# KiCad board coleco_original_main_only.kicad_pcb (continued)
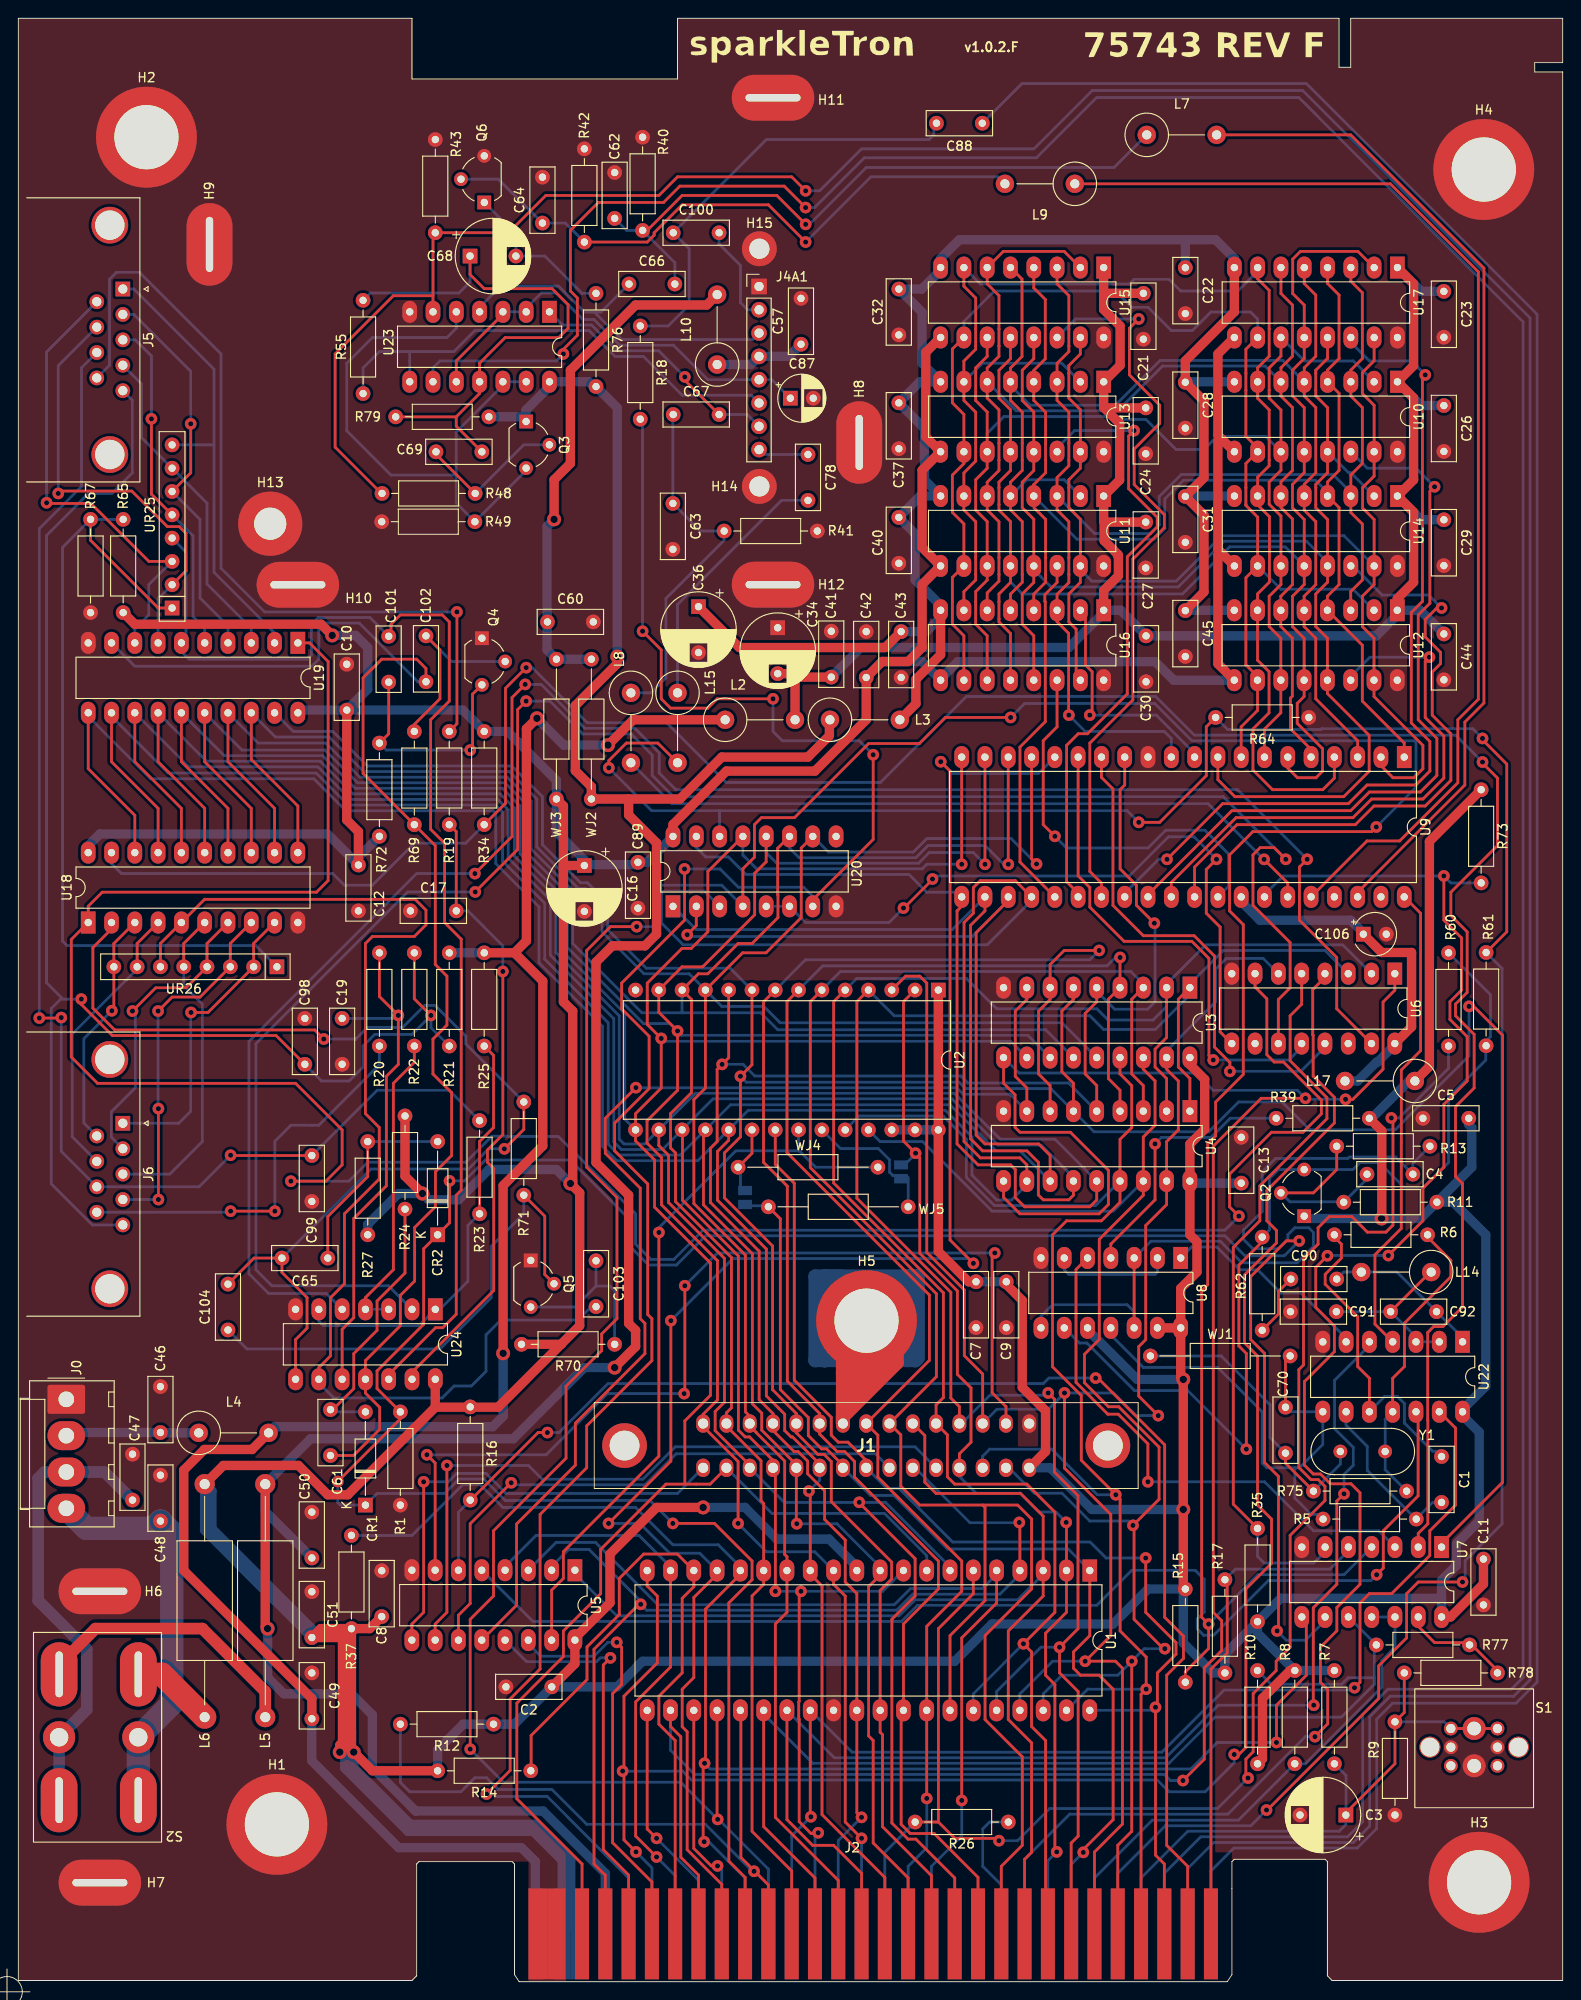
[diagram p0: board, top side]
## Footprints (pads in the part's own frame, mm; a bottom-side part is the same pattern mirrored in y, then rotated)
55308412_coleco
  oval 1.5x2 hole 1.1: 1(0,-4.826) 2(0,0) 3(-2.54,-4.826) 4(-2.54,0) 5(-5.08,-4.826) 6(-5.08,0) 7(-7.62,-4.826) 8(-7.62,0) 9(-10.16,-4.826) 10(-10.16,0) 11(-12.7,-4.826) 12(-12.7,0) 13(-15.24,-4.826) 14(-15.24,0) 15(-17.78,-4.826) 16(-17.78,0) 17(-20.32,-4.826) 18(-20.32,0) 19(-22.86,-4.826) 20(-22.86,0) 21(-25.4,-4.826) 22(-25.4,0) 23(-27.94,-4.826) 24(-27.94,0) 25(-30.48,-4.826) 26(-30.48,0) 27(-33.02,-4.826) 28(-33.02,0) 29(-35.56,-4.826) 30(-35.56,0)
  round 4.875 hole 3.25: MH1(8.57,-2.425) MH2(-44.13,-2.425)
C_Disc_D7.0mm_W2.5mm_P5.00mm
  round 1.6 hole 0.8: 1(0,0) 2(5,0)
Coleco_RST
  round 2.3 hole 2.05 unplated: (-4.826,-6.35) (4.826,-6.35)
  round 1.5 hole 1: 1(-2.54,-4.318) 1(2.54,-4.318) 2(-2.54,-6.35) 2(2.54,-6.35) 3(-2.54,-8.382) 3(2.54,-8.382)
  round 2.5 hole 1.5: 1(0,-4.318) 2(0,-8.382)
Colecovision_Expansion
  rect 2.032x9.906 smd: 1(-34.036,1.905) 2(-32.004,1.905)
  rect 1.524x9.906 smd: 3(-29.21,1.905) 4(-26.67,1.905) 5(-24.13,1.905) 6(-21.59,1.905) 7(-19.05,1.905) 8(-16.51,1.905) 9(-13.97,1.905) 10(-11.43,1.905) 11(-8.89,1.905) 12(-6.35,1.905) 13(-3.81,1.905) 14(-1.27,1.905) 15(1.27,1.905) 16(3.81,1.905) 17(6.35,1.905) 18(8.89,1.905) 19(11.43,1.905) 20(13.97,1.905) 21(16.51,1.905) 22(19.05,1.905) 23(21.59,1.905) 24(24.13,1.905) 25(26.67,1.905) 26(29.21,1.905) 27(31.75,1.905) 28(34.29,1.905) 29(36.83,1.905) 30(39.37,1.905)
  rect 1.524x9.906 smd far side: 31(39.37,1.905) 32(36.83,1.905) 33(34.29,1.905) 34(31.75,1.905) 35(29.21,1.905) 36(26.67,1.905) 37(24.13,1.905) 38(21.59,1.905) 39(19.05,1.905) 40(16.51,1.905) 41(13.97,1.905) 42(11.43,1.905) 43(8.89,1.905) 44(6.35,1.905) 45(3.81,1.905) 46(1.27,1.905) 47(-1.27,1.905) 48(-3.81,1.905) 49(-6.35,1.905) 50(-8.89,1.905) 51(-11.43,1.905) 52(-13.97,1.905) 53(-16.51,1.905) 54(-19.05,1.905) 55(-21.59,1.905) 56(-24.13,1.905) 57(-26.67,1.905) 60(-34.29,1.905)
  rect 2.032x9.906 smd far side: 58(-29.464,1.905)
  rect 1.778x9.906 smd far side: 59(-31.369,1.905)
CP_Radial_D5.0mm_P2.50mm
  rect 1.6x1.6 hole 0.8: 1(0,0)
  round 1.6 hole 0.8: 2(2.5,0)
CP_Radial_D8.0mm_P5.00mm
  rect 1.6x1.6 hole 0.8: 1(0,0)
  round 1.6 hole 0.8: 2(5,0)
CP_Radial_Tantal_D4.5mm_P2.50mm
  rect 1.6x1.6 hole 0.8: 1(0,0)
  round 1.6 hole 0.8: 2(2.5,0)
Crystal_HC49-U_Vertical
  round 1.5 hole 0.8: 1(0,0) 2(4.88,0)
D_DO-35_SOD27_P10.16mm_Horizontal
  rect 1.6x1.6 hole 0.8: 1(0,0)
  oval 1.6x1.6 hole 0.8: 2(10.16,0)
DIP-14_W7.62mm_LongPads
  rect 2.4x1.6 hole 0.8: 1(0,0)
  oval 2.4x1.6 hole 0.8: 2(0,-2.54) 3(0,-5.08) 4(0,-7.62) 5(0,-10.16) 6(0,-12.7) 7(0,-15.24) 8(7.62,-15.24) 9(7.62,-12.7) 10(7.62,-10.16) 11(7.62,-7.62) 12(7.62,-5.08) 13(7.62,-2.54) 14(7.62,0)
DIP-16_W7.62mm_LongPads
  rect 2.4x1.6 hole 0.8: 1(0,0)
  oval 2.4x1.6 hole 0.8: 2(0,-2.54) 3(0,-5.08) 4(0,-7.62) 5(0,-10.16) 6(0,-12.7) 7(0,-15.24) 8(0,-17.78) 9(7.62,-17.78) 10(7.62,-15.24) 11(7.62,-12.7) 12(7.62,-10.16) 13(7.62,-7.62) 14(7.62,-5.08) 15(7.62,-2.54) 16(7.62,0)
DIP-18_W7.62mm_LongPads
  rect 2.4x1.6 hole 0.8: 1(0,0)
  oval 2.4x1.6 hole 0.8: 2(0,-2.54) 3(0,-5.08) 4(0,-7.62) 5(0,-10.16) 6(0,-12.7) 7(0,-15.24) 8(0,-17.78) 9(0,-20.32) 10(7.62,-20.32) 11(7.62,-17.78) 12(7.62,-15.24) 13(7.62,-12.7) 14(7.62,-10.16) 15(7.62,-7.62) 16(7.62,-5.08) 17(7.62,-2.54) 18(7.62,0)
DIP-20_W7.62mm_LongPads
  rect 2.4x1.6 hole 0.8: 1(0,0)
  oval 2.4x1.6 hole 0.8: 2(0,-2.54) 3(0,-5.08) 4(0,-7.62) 5(0,-10.16) 6(0,-12.7) 7(0,-15.24) 8(0,-17.78) 9(0,-20.32) 10(0,-22.86) 11(7.62,-22.86) 12(7.62,-20.32) 13(7.62,-17.78) 14(7.62,-15.24) 15(7.62,-12.7) 16(7.62,-10.16) 17(7.62,-7.62) 18(7.62,-5.08) 19(7.62,-2.54) 20(7.62,0)
DIP-28_W15.24mm
  rect 1.6x1.6 hole 0.8: 1(0,0)
  oval 1.6x1.6 hole 0.8: 2(0,-2.54) 3(0,-5.08) 4(0,-7.62) 5(0,-10.16) 6(0,-12.7) 7(0,-15.24) 8(0,-17.78) 9(0,-20.32) 10(0,-22.86) 11(0,-25.4) 12(0,-27.94) 13(0,-30.48) 14(0,-33.02) 15(15.24,-33.02) 16(15.24,-30.48) 17(15.24,-27.94) 18(15.24,-25.4) 19(15.24,-22.86) 20(15.24,-20.32) 21(15.24,-17.78) 22(15.24,-15.24) 23(15.24,-12.7) 24(15.24,-10.16) 25(15.24,-7.62) 26(15.24,-5.08) 27(15.24,-2.54) 28(15.24,0)
DIP-40_W15.24mm_LongPads
  rect 2.4x1.6 hole 0.8: 1(0,0)
  oval 2.4x1.6 hole 0.8: 2(0,-2.54) 3(0,-5.08) 4(0,-7.62) 5(0,-10.16) 6(0,-12.7) 7(0,-15.24) 8(0,-17.78) 9(0,-20.32) 10(0,-22.86) 11(0,-25.4) 12(0,-27.94) 13(0,-30.48) 14(0,-33.02) 15(0,-35.56) 16(0,-38.1) 17(0,-40.64) 18(0,-43.18) 19(0,-45.72) 20(0,-48.26) 21(15.24,-48.26) 22(15.24,-45.72) 23(15.24,-43.18) 24(15.24,-40.64) 25(15.24,-38.1) 26(15.24,-35.56) 27(15.24,-33.02) 28(15.24,-30.48) 29(15.24,-27.94) 30(15.24,-25.4) 31(15.24,-22.86) 32(15.24,-20.32) 33(15.24,-17.78) 34(15.24,-15.24) 35(15.24,-12.7) 36(15.24,-10.16) 37(15.24,-7.62) 38(15.24,-5.08) 39(15.24,-2.54) 40(15.24,0)
DPDT_GF-626-0061
  oval 4x7 hole 0.8x5: 1(-4.318,-4.572) 3(-4.318,-18.288) 4(4.318,-4.572) 6(4.318,-18.288)
  round 3.5 hole 2: 2(-4.318,-11.43) 5(4.318,-11.43)
DSUB-9_Male_Horizontal_P2.77x2.84mm_EdgePinOffset7.70mm_Housed_MountingHolesOffset9.12mm
  round 4 hole 3.2: 0(-6.96,-1.42) 0(18.04,-1.42)
  rect 1.6x1.6 hole 1: 1(0,0)
  round 1.6 hole 1: 2(2.77,0) 3(5.54,0) 4(8.31,0) 5(11.08,0) 6(1.385,-2.84) 7(4.155,-2.84) 8(6.925,-2.84) 9(9.695,-2.84)
L_Axial_L11.0mm_D4.5mm_P7.62mm_Vertical_Fastron_MECC
  round 2 hole 1: 1(0,0)
  oval 2x2 hole 1: 2(7.62,0)
L_Axial_L12.8mm_D5.8mm_P25.40mm_Horizontal_Fastron_HBCC
  round 2.2 hole 1.1: 1(0,0)
  oval 2.2x2.2 hole 1.1: 2(25.4,0)
Molex_KK-396_A-41791-0004_1x04_P3.96mm_Vertical
  rrect 3.16x4.1 hole 1.7: 1(0,0)
  oval 3.16x4.1 hole 1.7: 2(3.96,0) 3(7.92,0) 4(11.88,0)
MountingHole_2.2mm_M2_DIN965_Pad
  round 3.8 hole 2.2: 1(0,0)
MountingHole_3.5mm_Pad
  round 7 hole 3.5: 1(0,0)
MountingHole_7mm_M7
  round 11 hole 7: 1(0,0)
PinHeader_1x08_P2.54mm_Vertical
  rect 1.7x1.7 hole 1: 1(0,0)
  oval 1.7x1.7 hole 1: 2(0,-2.54) 3(0,-5.08) 4(0,-7.62) 5(0,-10.16) 6(0,-12.7) 7(0,-15.24) 8(0,-17.78)
R_Array_SIP8
  rect 1.6x1.6 hole 0.8: 1(0,0)
  oval 1.6x1.6 hole 0.8: 2(2.54,0) 3(5.08,0) 4(7.62,0) 5(10.16,0) 6(12.7,0) 7(15.24,0) 8(17.78,0)
R_Axial_DIN0207_L6.3mm_D2.5mm_P10.16mm_Horizontal
  round 1.6 hole 0.8: 1(0,0)
  oval 1.6x1.6 hole 0.8: 2(10.16,0)
R_Axial_DIN0207_L6.3mm_D2.5mm_P15.24mm_Horizontal
  round 1.6 hole 0.8: 1(0,0)
  oval 1.6x1.6 hole 0.8: 2(15.24,0)
RF_MOUNT
  oval 9x5 hole 6x0.8: 1(0,-5.334)
SolderJumper-2_P1.3mm_Open_Pad1.0x1.5mm
  rect 1x1.5 smd: 1(-0.762,0) 2(0.762,0)
SWITCH_MOUNT
  oval 9x5 hole 6x0.8: 1(0,-5.334)
TO-92_Wide
  rect 1.5x1.5 hole 0.8: 1(0,0)
  round 1.5 hole 0.8: 2(2.54,2.54) 3(5.08,0)

## Nets
+5V: C2.1 C5.2 C7.1 C8.2 C9.1 C10.1 C11.2 C12.1 C13.2 C16.1 C42.1 C51.1 C89.1 J1.30 J2.58 J2.59 L6.2 L17.1 Q2.1 R7.1 R8.1 R10.1 R11.2 R12.1 R14.2 R15.1 R16.1 R17.1 R24.1 R27.1 R34.2 R35.1 R37.1 R39.2 R65.1 R70.2 R72.2 R73.1 U1.11 U2.1 U2.26 U2.27 U2.28 U3.18 U4.18 U5.16 U7.14 U8.10 U8.13 U8.14 U10.9 U11.9 U12.9 U13.9 U14.9 U15.9 U16.9 U17.9 U18.20 U19.20 U20.16 U22.14 U24.14 WJ3.2
+5VD: C106.1 L17.2 U6.16 U9.33
+12V: C22.1 C28.1 C31.1 C32.1 C36.1 C37.1 C40.1 C43.1 C45.1 L3.2 U10.8 U11.8 U12.8 U13.8 U14.8 U15.8 U16.8 U17.8
+12VL: C50.2 J2.57 L3.1 L5.2 Q3.1 R76.2 R79.1 U23.14 WJ2.1
-5V: C21.1 C23.1 C24.1 C26.1 C27.1 C29.1 C30.1 C34.2 C41.2 C44.1 L2.2 U10.1 U11.1 U12.1 U13.1 U14.1 U15.1 U16.1 U17.1
-5VL: C49.2 J2.60 L2.1 L4.2 R21.2 R25.2
GND: H5.1 J1.13
GNDD: C2.2 C3.2 C5.1 C7.2 C8.1 C9.2 C10.2 C11.1 C12.2 C13.1 C16.2 C17.1 C19.1 C21.2 C22.2 C23.2 C24.2 C26.2 C27.2 C28.2 C29.2 C30.2 C31.2 C32.2 C34.1 C36.2 C37.2 C40.2 C41.1 C42.2 C43.2 C44.2 C45.2 C46.1 C47.1 C48.1 C49.1 C50.1 C51.2 C57.2 C60.2 C62.2 C63.2 C64.2 C87.2 C89.2 C91.1 C98.1 C99.2 C106.2 H1.1 H2.1 H3.1 H4.1 H6.1 H7.1 H8.1 H9.1 H10.1 H11.1 H12.1 H13.1 H14.1 H15.1 J0.1 J1.29 J2.1 J2.2 J4A1.1 Q4.1 Q5.1 Q6.3 R1.1 R9.2 R40.2 R41.2 R42.2 R43.1 R49.2 R64.1 R67.1 S1.2 U1.29 U2.14 U3.9 U4.9 U5.8 U6.8 U7.7 U8.7 U9.12 U10.16 U11.16 U12.16 U13.16 U14.16 U15.16 U16.16 U17.16 U18.10 U19.10 U20.8 U22.7 U23.7 U24.7
VDDA: C60.1 L10.2 WJ2.2 WJ3.1
VDDF: C57.1 J4A1.4 L10.1
+5C: C48.2 J0.4 S2.1 S2.2
+12C: C47.2 J0.3 S2.4 S2.5
-5C: C46.2 J0.2 L4.1
/clock_reset_misc_logic/AUX_DECODE_2: J2.30 R17.2 U7.5
/clock_reset_misc_logic/EXP_RESET: C3.1 J2.34 R7.2 R9.1 R78.2 S1.1
/clock_reset_misc_logic/INT: CR1.1 CR2.1 J2.10 R1.2 U7.9
/clock_reset_misc_logic/RESET: J2.36 R8.2 U7.11 U7.12
/clock_reset_misc_logic/RFSH: U5.5 U22.12
/clock_reset_misc_logic/SND_CLK: J2.35 L15.2 R61.1 R64.2 U20.14
/clock_reset_misc_logic/VDP_CLK: U9.40 U22.4
/clock_reset_misc_logic/~{CLK}: J2.45 R26.2 R60.1 U1.6
/clock_reset_misc_logic/~{CTRL_READ_2}: R34.1 U7.2 U18.19
/clock_reset_misc_logic/~{INT}: J2.51 R37.2 U1.16 U7.8
/clock_reset_misc_logic/~{M1}: J2.15 U1.27 U22.5
/clock_reset_misc_logic/~{RESET}: J2.13 R10.2 R77.2 U1.26 U7.10
/clock_reset_misc_logic/~{RFSH}: J2.49 U1.28 U22.13
/clock_reset_misc_logic/~{WAIT}: J2.50 R15.2 U1.24 U7.4 U20.4
/controller/~{CTRL_EN_1}: U6.11 U24.2
/controller/~{CTRL_EN_2}: U6.15 U24.5
/controller/~{CTRL_READ}: U6.7 U18.1 U19.1
/cpu/A0: J1.7 J2.47 U1.30 U2.10 U3.5 U4.5 U9.13
/cpu/A1: J1.9 J2.18 U1.31 U2.9 U3.6 U4.6 U7.1 U19.19
/cpu/A2: J1.11 J2.20 U1.32 U2.8 U3.7 U4.7
/cpu/A3: J1.15 J2.44 U1.33 U2.7 U3.4 U4.4
/cpu/A4: J1.17 J2.21 U1.34 U2.6 U3.3 U4.3
/cpu/A5: J1.21 J2.23 U1.35 U2.5 U3.2 U4.2 U6.2
/cpu/A6: J1.23 J2.24 U1.36 U2.4 U3.1 U4.1 U6.3
/cpu/A7: J1.25 J2.25 U1.37 U2.3 U3.17 U4.17 U6.6
/cpu/A8: J1.28 J2.26 U1.38 U2.25 U3.16 U4.16
/cpu/A9: J1.26 J2.27 U1.39 U2.24 U3.15 U4.15
/cpu/A10: J1.16 J2.28 U1.40 U2.21
/cpu/A11: J1.14 J2.37 JP1.2 U1.1 WJ5.1
/cpu/A12: J1.24 J2.38 JP2.1 U1.2 U2.2
/cpu/A13: J1.19 J2.22 U1.3 U5.1
/cpu/A14: J1.20 J2.4 U1.4 U5.2
/cpu/A15: J2.43 U1.5 U5.3
/cpu/D0: J1.5 J2.14 U1.14 U2.11 U3.14 U9.17 U18.11 U19.18 U20.10
/cpu/D1: J1.3 J2.12 U1.15 U2.12 U3.13 U9.18 U18.12 U19.17 U20.11
/cpu/D2: J1.1 J2.46 U1.12 U2.13 U3.12 U9.19 U18.13 U19.16 U20.12
/cpu/D3: J1.4 J2.3 U1.8 U2.15 U3.11 U9.20 U18.14 U19.15 U20.13
/cpu/D4: J1.6 J2.19 U1.7 U2.16 U4.14 U9.21 U18.15 U19.14 U20.15
/cpu/D5: J1.8 J2.48 U1.9 U2.17 U4.13 U9.22 U18.16 U19.13 U20.1
/cpu/D6: J1.10 J2.17 U1.10 U2.18 U4.12 U9.23 U18.17 U19.12 U20.2
/cpu/D7: J1.12 J2.16 U1.13 U2.19 U4.11 U9.24 U18.18 U19.11 U20.3
/cpu/~{BUSAK}: J2.52 U1.23
/cpu/~{BUSRQ}: J2.11 R12.2 U1.25
/cpu/~{HALT}: J2.7 R14.1 U1.18
/cpu/~{IORQ}: J2.55 U1.20 U6.4
/cpu/~{MREQ}: J2.54 U1.19 U5.4
/cpu/~{NMI}: J2.9 U1.17 U9.16
/cpu/~{RD}: J2.53 U1.21
/cpu/~{WR}: J2.8 U1.22 U3.10 U4.10 U6.1
/decoder_logic/AUX_DECODE_1: J2.29 R16.2 U5.6
/decoder_logic/~{CS_h2000}: J2.6 U5.14
/decoder_logic/~{CS_h4000}: J2.5 U5.13
/decoder_logic/~{CS_h8000}: J1.18 U5.11
/decoder_logic/~{CS_hA000}: J1.22 U5.10
/decoder_logic/~{CS_hC000}: J1.2 U5.9
/decoder_logic/~{CS_hE000}: J1.27 U5.7
/decoder_logic/~{CSR}: U6.12 U9.15
/decoder_logic/~{CSW}: U6.13 U9.14
/decoder_logic/~{RAM_CS}: U3.8 U4.8 U5.12
/decoder_logic/~{ROM_ENABLE}: U2.22 U5.15 WJ4.2
/decoder_logic/~{SND_ENABLE}: U6.9 U20.5 U20.6
/io_ports/EXT_SOUND: C88.1 J2.31
/io_ports/EXT_VIDEO: J2.33 U23.9
/io_ports/EXT_VIDEO_SEL: J2.32 R43.2 R48.1 U23.6
/io_ports/SND_OUT: J2.56 R18.2 U20.7
/io_ports/~{VDP_RESET}: J2.39 R73.2 U9.34
/psu/+5NF: L6.1 S2.3
/psu/+12NF: L5.1 S2.6
/rf_mod/B-Y: L8.2 U9.35
/rf_mod/R-Y: L7.2 U9.38
/rf_mod/sub_rf_mod/2: C100.2 J4A1.2
/rf_mod/sub_rf_mod/3: C66.1 J4A1.3 U23.4
/rf_mod/sub_rf_mod/5: C87.1 J4A1.5 U23.2 U23.3 U23.10
/rf_mod/sub_rf_mod/6: J4A1.6 R55.1 U23.8
/rf_mod/sub_rf_mod/7: C67.2 J4A1.7 U23.1
/rf_mod/sub_rf_mod/8: C78.1 J4A1.8
/rf_mod/Y: L9.1 U9.36
/video/AD0: U9.10 U16.2
/video/AD1: U9.9 U10.13 U11.13 U12.13 U13.13 U14.2 U14.13 U15.13 U16.13 U17.13
/video/AD2: U9.8 U10.10 U11.10 U12.2 U12.10 U13.10 U14.10 U15.10 U16.10 U17.10
/video/AD3: U9.7 U10.2 U10.11 U11.11 U12.11 U13.11 U14.11 U15.11 U16.11 U17.11
/video/AD4: U9.6 U10.12 U11.12 U12.12 U13.12 U14.12 U15.12 U16.12 U17.2 U17.12
/video/AD5: U9.5 U10.6 U11.6 U12.6 U13.6 U14.6 U15.2 U15.6 U16.6 U17.6
/video/AD6: U9.4 U10.7 U11.7 U12.7 U13.2 U13.7 U14.7 U15.7 U16.7 U17.7
/video/AD7: U9.3 U10.5 U11.2 U11.5 U12.5 U13.5 U14.5 U15.5 U16.5 U17.5
Net-(C1-Pad1): C1.1 R6.1 U22.10
Net-(C1-Pad2): C1.2 R5.2 U22.9
Net-(C17-Pad2): C17.2 R19.2 U24.13
Net-(C19-Pad2): C19.2 R20.2 U24.10
Net-(C62-Pad1): C62.1 C66.2 L7.1 R40.1
Net-(C63-Pad1): C63.1 C67.1 L8.1 R41.1
Net-(C78-Pad2): C78.2 L15.1
Net-(C90-Pad1): C90.1 R62.2
Net-(C90-Pad2): C90.2 C92.2 L14.2 U22.1
Net-(C91-Pad2): C91.2 C92.1 L14.1 U22.2 U22.3
Net-(C98-Pad2): C98.2 J5.5 J6.5 R21.1 R22.1
Net-(C99-Pad1): C99.1 J5.8 J6.8 R23.1
Net-(C100-Pad1): C88.2 C100.1 R18.1
Net-(J5-Pad9): J5.9 R19.1
Net-(J6-Pad9): J6.9 R20.1
Net-(R6-Pad2): R6.2 R75.1 U22.11 Y1.1
Net-(R22-Pad2): R22.2 U24.3 U24.4
Net-(R23-Pad2): R23.2 R25.1 U24.1 U24.6
Net-(R77-Pad1): R77.1 R78.1 U7.13

Pads without a net: C4 1 2; C61 1 2; C64 1; C65 1 2; C68 1 2; C69 1 2; C70 1 2; C101 1 2; C102 1 2; C103 1 2; C104 1 2; CR1 2; CR2 2; J1 MH1 MH2; J2 40 41 42; J5 0 1 2 3 4 6 7; J6 0 1 2 3 4 6 7; JP1 1; JP2 2; L9 2; Q2 2 3; Q3 2 3; Q4 2 3; Q5 2 3; Q6 1 2; R5 1; R11 1; R13 1 2; R24 2; R26 1; R27 2; R35 2; R39 1; R42 1; R48 2; R49 1; R55 2; R60 2; R61 2; R62 1; R65 2; R67 2; R69 1 2; R70 1; R71 1 2; R72 1; R75 2; R76 1; R79 2; S1 3; U2 20 23; U6 5 10 14; U7 3 6; U8 1 2 3 4 5 6 8 9 11 12; U9 1 2 11 25 26 27 28 29 30 31 32 37 39; U10 3 4 14 15; U11 3 4 14 15; U12 3 4 14 15; U13 3 4 14 15; U14 3 4 14 15; U15 3 4 14 15; U16 3 4 14 15; U17 3 4 14 15; U18 2 3 4 5 6 7 8 9; U19 2 3 4 5 6 7 8 9; U20 9; U22 6 8; U23 5 11 12 13; U24 8 9 11 12; UR25 1 2 3 4 5 6 7 8; UR26 1 2 3 4 5 6 7 8; WJ1 1 2; WJ4 1; WJ5 2; Y1 2

## Via types
v1: diameter 1.27, hole 0.559, Top to Bottom, 164 vias
v2: diameter 1.524, hole 0.813, Top to Bottom, 16 vias

## Routing (per net, layer and track width the routed paths; a pad name or vN(x,y) marks a point on that pad's centre or on a via; arc(x,y) is an arc through that point)
+5V: length 1148.5
  Top w1.016: v2(36.58,25.02) 38.61,22.99 R14.2 ; v2(36.58,25.02) 36.32,25.27 36.32,27.31 ; v2(36.58,25.02) 36.58,25.27 36.07,25.78 ; U20.16 71.39,126.13 77.22,131.95 86.87,131.95 92.46,137.54 C42.1 94.19,143.89 97.03,143.89 98.55,145.42 98.55,152.29 U11.9 98.55,156.33 98.55,164.74 U13.9 98.96,168.37 98.96,177.6 U15.9 ; U8.14 126.75,65.92 v2(127.03,65.64) 127.03,43.02 R15.1 ; U8.14 126.75,75.57 128.52,77.34 128.52,80.65 127.75,81.42 U4.18 127.75,91.3 129.36,92.92 129.36,98.35 127.75,99.96 U3.18 ; U8.14 U8.13 ; v2(44.06,85.9) 42.16,87.8 R24.1 ; U7.14 156.18,39.75 159.77,43.34 C11.2 ; 59.44,118.96 59.44,106.81 60.45,105.79 60.45,87.25 v2(60.2,87) 61.21,85.98 61.21,71.5 59.22,69.5 ; 59.44,118.96 59.44,128.14 WJ3.2 ; 59.44,118.96 59.44,121.75 59.53,121.66 C16.1 ; R73.1 153.87,124.28 153.87,99.76 L17.1 ; U12.9 130.81,143.64 130.81,155.49 131.12,155.8 ; R70.2 59.18,69.47 59.22,69.5 ; 131.12,155.8 U14.9 ; 131.12,155.8 130.81,156.1 130.81,167.94 131.12,168.25 ; 45.47,62.61 52.32,62.61 59.22,69.5 ; 45.47,62.61 U24.14 ; 45.47,62.61 35.92,53.07 33.74,53.07 30.55,56.26 22.35,56.26 L6.2 ; v2(74.68,51.69) 69.6,51.69 64.52,46.61 64.52,41.28 60.69,37.45 U5.16 60.69,34.66 C2.1 ; U2.1 U2.28 100.32,79.59 103.62,76.29 104.17,76.29 ; 36.32,27.31 R37.1 ; 36.32,27.31 36.32,26.29 v2(35.05,25.02) 35.05,25.78 35.35,26.08 35.35,37.5 ; C8.2 38.31,38.48 R37.1 ; R37.1 32.98,38.48 C51.1 35.35,37.5 ; R37.1 35.35,37.5 ; J1.30 112.01,57.78 112.01,62.23 109.47,64.77 109.47,74.25 107.44,76.29 ; v2(34.23,146.74) 33.01,147.96 12.7,147.96 R65.1 ; v2(148.66,83.19) 148.68,83.21 148.68,92.75 R39.2 ; 131.12,168.25 130.81,168.55 130.81,177.42 U17.9 ; 131.12,168.25 U10.9 ; R10.1 135.67,24.29 135.67,30.9 138.68,33.91 R8.1 ; C12.1 37.08,125.35 35.81,126.62 C10.1
  Bottom w1.016: C10.1 30.77,138.6 U19.20 ; C10.1 38.1,140.88 38.1,145.42 36.78,146.74 v2(34.23,146.74) ; C10.1 48.47,138.6 R34.2 53.34,136.27 58.67,130.94 WJ3.2 58.67,125.31 61.72,122.26 C16.1 61.82,121.75 67.31,121.75 C89.1 68.57,122.01 U20.16 ; v2(60.2,87) 58.67,88.52 51.31,88.52 48.01,85.22 44.75,85.22 v2(44.06,85.9) 41.47,85.9 38.1,82.54 R27.1 ; v2(35.05,25.02) 35.59,24.48 35.59,23.28 42.49,16.38 56.13,16.38 59.31,13.21 J2.59 ; U18.20 7.62,123.83 8.89,125.09 33.7,125.09 C12.1 37.08,122.56 R72.2 ; J2.58 60.23,6.19 60.23,13.3 56.39,17.15 42.74,17.15 36.58,23.31 v2(36.58,25.02) ; v2(148.66,83.19) 148.69,83.15 149.44,83.15 ; C42.1 94.19,143.89 98.54,143.89 U16.9 100.57,142 102.44,143.87 123.97,143.87 125.98,141.86 U12.9 ; R35.1 135.13,37.97 R8.1 R7.1 ; R35.1 131.57,35.69 R17.1 130.3,33.66 127.03,36.92 127.03,42.58 R15.1 123.19,42.8 119.38,38.99 106.17,38.99 102.11,34.93 68.07,34.93 65.28,32.13 C2.1 54.1,28.07 R12.1 48.51,28.07 45.72,25.27 R14.2 ; R35.1 137.67,41.78 155.19,41.78 U7.14 155.19,43.75 156.81,45.36 156.81,47.71 159.3,50.21 159.3,59.9 157.49,61.72 U22.14 157.49,62.36 160.02,64.9 160.02,81.41 156.46,84.96 R11.2 ; v2(74.68,51.69) 79.25,51.69 82.7,48.24 88.41,48.24 91.44,45.21 U1.11 ; 152.94,83.22 R11.2 ; R11.2 158.5,88.77 158.5,93.09 158.16,93.43 C5.2 ; R39.2 147.57,94.11 151.64,98.17 L17.1 ; U4.18 127.98,87.03 C13.2 ; 107.44,76.29 104.17,76.29 ; 152.91,83.19 140.47,83.19 Q2.1 ; v2(127.03,51.47) 117.06,51.47 112.52,56.01 J1.30 ; U8.10 116.59,71.06 122.01,65.64 v2(127.03,65.64) ; U2.26 U2.28 ; C51.1 32,38.48 21.12,49.37 21.12,53.5 20.39,54.23 L6.2 20.32,49.19 C51.1
+5VD: length 39.4
  Top w1.016: C106.1 148.66,112.18 151.93,112.18 151.93,104.08 U6.16
  Bottom w1.016: U6.16 150.1,102.11 148.23,100.24 148.12,100.24 146.05,98.17 L17.2 ; C106.1 146.67,114.32 145.29,115.7 135.38,115.7 133.34,117.73 U9.33
+12V: length 194.9
  Top w1.016: L3.2 97.88,139.3 97.88,141.95 100.57,144.64 U16.8 ; C43.1 94.53,145.42 78.62,145.42 C36.1 ; U17.8 132.6,182.01 127.25,176.66 C28.1 129.29,172.3 129.29,163.92 C31.1 129.29,159.85 129.29,151.47 C45.1
  Bottom w1.016: U17.8 132.6,187.82 130.56,189.87 127.51,189.87 ; C31.1 127.3,161.93 U14.8 ; 127.51,189.87 102.62,189.87 100.57,187.82 U15.8 100.57,186.55 98.51,184.49 C32.1 98.55,181.95 98.55,176.4 U13.8 98.31,174.38 C37.1 98.81,169.29 98.81,163.69 U11.8 98.34,161.93 C40.1 97.79,157.82 97.79,152.78 100.57,150 U16.8 100.57,148.7 99.02,147.15 C43.1 ; 127.51,189.87 127.25,189.61 C22.1 ; C45.1 127.29,149.48 U12.8 ; C28.1 127.3,174.38 U10.8
+12VL: length 295.3
  Top w1.016: 66.55,128.91 WJ2.1 62.48,130.24 60.74,131.99 60.74,139.1 65.31,143.67 v2(65.31,144.43) ; 66.55,128.91 66.55,127.17 69.6,124.12 69.6,114.17 68.33,112.9 64.77,112.9 62.99,111.12 62.99,89.28 66.55,85.72 66.55,71.75 67.31,70.99 67.31,69.22 v2(65.02,66.93) ; 66.55,128.91 72.14,128.91 76.71,133.48 86.11,133.48 88.44,135.81 88.44,137.54 ; v2(27.18,38.48) 26.92,38.74 L5.2
  Bottom w1.016: v2(65.31,144.43) 65.31,171.54 R76.2 ; v2(27.18,38.48) 27.18,33.15 28.96,31.37 36.32,31.37 38.61,29.08 38.61,23.31 43.32,18.59 57.23,18.59 64.01,11.81 J2.57 ; v2(65.02,66.93) 61.72,66.93 53.96,59.17 31.86,59.17 L5.2 26.92,51.26 C50.2 ; 62.99,173.61 62.22,174.39 U23.14 57.92,173.87 55.36,171.31 Q3.1 54.86,170.56 R79.1
-5V: length 199.4
  Top w1.016: 118.35,183.78 118.35,182.26 120.14,180.47 120.14,176.17 U13.1 118.35,171.59 118.4,171.54 ; 118.35,183.78 U15.1 ; 118.35,183.78 118.59,184.02 C21.1 ; U16.1 118.35,151.63 119.96,153.24 119.96,155.38 119.86,155.48 119.92,155.54 118.4,157.06 118.4,159.09 ; 118.4,171.54 120.09,169.85 120.09,163.67 U11.1 118.35,159.15 118.4,159.09 ; 118.4,171.54 122.68,171.54 ; 118.4,159.09 C27.1 ; C41.2 84.74,142.19 84.36,142.57 C34.2 ; U12.1 150.37,150.75 152.15,152.53 152.15,160.17 U14.1 152.15,163.69 152.15,172.62 U10.1 152.15,176.14 152.15,185.07 U17.1 ; L2.2 84.69,142.23
  Bottom w1.016: C41.2 91.87,145.42 114.55,145.42 118.35,149.21 U16.1 120.21,149.48 122.97,146.72 C30.1 148.08,146.69 150.37,148.97 U12.1 152.87,149.48 C44.1 ; C26.1 152.97,171.79 U10.1 ; C29.1 152.97,159.34 U14.1 ; U17.1 152.98,184.24 C23.1
-5VL: length 221.7
  Top w1.016: L2.1 67.06,137.54 v2(64.3,134.78) ; C49.2 32,30.86 18.03,44.83 18.03,55.75 20.29,58 25.48,58 L4.2 ; 54.1,112.14 55.41,113.45 55.41,136.56 v2(56.55,137.7) ; 54.1,112.14 57.18,109.06 57.18,91.09 52.87,86.78 v2(52.87,68.49) ; 54.1,112.14 R25.2
  Bottom w1.016: v2(64.3,134.78) 59.47,134.78 v2(56.55,137.7) ; R25.2 R21.2 ; J2.60 56.39,13.08 54.86,14.61 41.47,14.61 32,24.07 C49.2 ; L4.2 27.96,60.49 51.73,60.49 52.87,61.63 v2(52.87,68.49)
GND: length 147.7
  Top w1.524: 89.92,66.42 89.95,66.46 93.25,66.46 91.47,64.68 ; 89.92,66.42 89.92,66.24 ; 89.92,66.42 89.92,68.96 93,72.04 95.79,69.25 95.79,67.47 89.92,61.59 J1.13 ; 89.92,66.24 J1.13 ; 89.92,66.24 90.17,66.24 91.47,64.93 91.47,64.68 ; J1.13 89.92,63.12 91.47,64.68
  Bottom w1.524: 97.06,76.62 98.08,75.6 ; 97.06,76.62 97.06,76.87 ; 97.06,76.62 97.06,68.49 97.82,67.72 ; 98.08,75.6 98.08,67.98 97.82,67.72 ; 98.08,75.6 98.08,76.87 ; 97.82,67.72 87.92,67.72 ; 87.92,67.72 97.06,76.87 ; 87.92,67.72 92.24,72.04 93,72.04 92.74,72.04 87.92,76.87 ; 87.92,67.72 92.49,72.3 87.92,76.87 ; 87.92,67.72 86.9,67.72 86.9,76.87 89.7,76.87 ; 97.06,76.87 98.08,76.87 ; 87.92,76.87 89.7,76.87 ; 87.92,76.87 87.92,69 90.97,72.04 H5.1 ; 89.7,76.87 98.08,76.87
VDDA: length 56.2
  Top w1.016: v2(58.42,159.38) 58.42,163.7 60.2,165.48 60.2,175.64 67.31,182.75 75.07,182.75 L10.2
  Bottom w1.016: v2(58.42,159.38) 57.66,158.62 57.66,145.16 WJ3.1 WJ2.2
VDDF: length 10.1
  Bottom w1.016: L10.1 79.88,176.26 J4A1.4 84.02,177.15 C57.1
(no net): length 2997.3
  Top w0.305: U9.30 125.72,119.81 132.79,126.87 145.54,126.87 147.57,128.91 153.16,128.91 155.45,131.19 155.45,135.76 153.42,137.8 153.42,143.91 v1(153.87,144.36) ; v1(18.8,169.8) 18.8,164.46 UR25.6 ; v1(14.51,170.34) 14.51,162.13 UR25.5 ; U17.4 142.76,185.09 144.02,183.83 144.02,176.91 142.76,175.66 U10.4 144.02,173.12 144.02,164.72 142.76,163.46 U14.4 144.02,160.67 144.02,152.28 142.75,151 U12.4 146.56,145.67 146.56,139.57 151.12,135.01 U9.1 ; v1(154.43,162.94) 153.92,162.43 153.92,150.24 152.65,148.97 152.65,137.54 154.69,135.51 154.69,131.47 152.88,129.67 147.32,129.67 145.29,127.64 132.33,127.64 123.19,118.49 U9.29 ; WJ1.2 138.18,67.69 C70.1 ; C65.1 33.74,83.4 38.1,87.76 R27.2 ; U18.8 23.11,113.16 UR26.3 19.81,107.32 16.76,107.32 v1(15.24,105.79) ; C101.2 40.64,146.9 40.64,147.96 41.66,148.97 46.23,148.97 46.99,148.21 46.99,139.57 44.96,137.54 44.96,125.6 46.48,124.08 46.48,115.44 48.29,113.63 48.29,86.27 47.75,85.72 47.75,72.75 46.28,71.28 45.5,71.28 40.39,66.17 U24.12 ; U2.20 80,90.29 WJ4.1 ; v1(133.91,58.04) 133.91,68.47 133.1,69.28 133.1,78.11 135.64,80.65 R62.1 ; Q5.2 57.4,77.08 57.4,83.44 R71.2 ; C101.1 40.39,136.02 R72.1 ; R75.2 138.18,56.52 C70.2 ; 47.75,170.56 47.75,169.54 C69.2 ; 47.75,170.56 50.3,173.11 U23.11 50.3,176.41 53.09,179.2 58.93,179.2 59.94,180.21 59.94,182.79 58.2,184.53 50.8,184.53 49.26,186.07 C68.1 ; 47.75,170.56 R79.2 ; v1(4.35,162.21) 4.61,162.47 12.38,162.47 16.24,158.6 17.55,158.6 18.29,157.86 18.29,153.79 UR25.2 ; U16.15 115.35,142.32 115.35,147.41 114.55,148.21 114.55,151.25 115.81,152.51 U11.15 115.81,159.4 114.55,160.66 114.55,162.85 114.55,162.85 114.55,163.7 115.81,164.96 U13.15 115.81,171.34 114.55,172.6 114.55,175.3 114.55,175.3 114.55,176.15 115.81,177.4 U15.15 ; Q4.3 49.53,140.34 49.53,134.49 v1(49.28,134.24) ; v1(122.17,181.23) 121.16,180.21 121.16,175.13 124.46,171.83 124.46,169.84 121.68,167.06 121.68,163.18 124.97,159.89 124.97,158.48 121.54,155.05 121.54,139.7 116.84,135 116.84,121.01 118.11,119.74 U9.27 ; v1(33.31,102.74) 32.32,103.73 10.51,103.73 8.13,106.11 8.13,112.71 10.16,114.74 U18.2 ; R24.2 42.16,77.23 39.12,74.19 39.12,70.99 36.58,68.45 36.58,64.64 34.04,62.1 ; v1(125.26,122.34) 131.32,128.4 145.03,128.4 147.07,130.43 152.4,130.43 153.92,131.95 153.92,135.17 151.89,137.2 151.89,149.23 153.11,150.44 153.11,174.83 v1(153.42,175.13) ; U8.5 115.33,77.62 115.33,65.32 118.81,61.85 119.94,61.85 123.17,58.62 v1(123.17,54.48) ; R13.1 143.76,88.52 141.22,85.98 Q2.2 ; UR26.7 12.95,113.16 U18.4 ; U16.14 113.27,136.76 111.76,135.25 111.76,126.11 v1(113.03,124.84) ; v1(12.45,105.79) 14.99,108.33 18.29,108.33 UR26.4 20.57,113.16 U18.7 ; v1(15.27,85.25) v1(15.27,95.16) ; U24.8 30.23,69.98 31.48,71.23 31.48,74.56 28.74,77.3 C65.2 25.69,78.87 C104.2 ; v1(3.08,161.2) 3.16,161.12 7.92,161.12 14.23,154.8 UR25.3 ; v1(121.67,169.06) 121.07,168.46 121.07,162.74 124.19,159.61 124.19,158.57 120.93,155.3 120.93,140.36 116.59,136.02 115.57,136.02 114.31,134.75 114.31,119.89 115.56,118.64 U9.26 ; U15.3 113.27,185.05 114.55,183.77 114.55,180.13 114.55,180.13 114.55,178.29 114.55,178.29 114.55,177.67 113.27,176.39 U13.3 113.27,172.35 114.55,171.07 114.55,167.68 114.55,167.68 114.55,165.84 114.55,165.84 114.55,165.23 113.27,163.94 U11.3 113.27,160.42 114.55,159.13 114.55,155.23 114.55,155.23 114.55,153.39 114.55,153.39 114.55,152.5 113.27,151.21 U16.3 113.27,148.22 114.53,146.97 114.53,138.08 v1(114.55,138.05) ; U6.5 139.94,106.54 138.68,105.28 138.68,100.37 139.57,99.48 139.57,99.47 142.7,96.34 142.7,94.06 135.38,86.74 135.38,82.93 132.49,80.04 132.49,52.04 R35.2 ; R71.1 55.12,92.89 v1(53,90.77) ; U12.3 145.29,151.51 146.56,152.78 146.56,158.87 145.3,160.13 U14.3 145.3,164.23 146.56,165.48 146.56,171.57 145.3,172.83 U10.3 145.3,175.66 146.56,176.91 146.56,180.13 146.56,180.13 146.56,184.09 145.3,185.35 U17.3 ; v1(10.19,105.83) 10.41,106.05 UR26.8 10.41,113.16 U18.3 ; C102.2 44.45,143.13 43.43,144.15 39.62,144.15 37.59,142.11 37.59,131.7 R69.1 45.47,123.83 45.47,110.87 46.74,109.6 46.74,104.27 45.21,102.74 45.21,98.93 47.24,96.9 47.24,90.04 45.48,88.28 45.48,84.47 43.21,82.2 43.21,76.36 41.66,74.8 41.66,71.5 37.85,67.69 U24.11 37.85,64.15 39.4,62.6 39.4,60.2 36.55,57.35 C61.2 ; U9.31 128.27,121.49 132.89,126.11 145.8,126.11 147.83,128.14 153.42,128.14 156.21,130.94 156.21,136.02 154.18,138.05 154.18,142.75 155.09,143.66 155.09,144.88 153.42,146.56 153.42,148.46 154.69,149.73 v1(155.19,149.73) ; UR26.6 15.49,113.16 U18.5 20.31,117.97 43.27,117.97 44.45,116.79 44.45,115.19 43.18,113.92 38.61,113.92 37.85,113.16 37.85,94.62 39.36,93.1 39.36,87.49 35.56,83.69 35.56,76.07 34.04,74.55 34.04,68.2 32.77,66.93 U24.9 ; R42.1 68.58,189.61 69.33,190.36 69.33,190.61 72.39,193.68 81.79,193.68 v1(85.85,189.61) ; U11.4 110.73,163.18 112.01,164.47 112.01,165.84 112.01,165.84 112.01,167.68 112.01,167.68 112.01,171.07 110.73,172.35 U13.4 110.73,175.63 111.99,176.88 111.99,183.36 110.73,184.61 U15.4 ; U8.12 U8.3 ; U16.4 110.73,151.24 112.01,152.53 112.01,153.39 112.01,153.39 112.01,155.23 112.01,155.23 112.01,159.38 110.74,160.66 ; R48.2 45.54,166.49 C69.1 ; R69.2 43.18,137.03 45.97,139.83 45.97,145.16 C102.1 ; UR26.5 18.03,113.16 U18.6 ; U9.25 109.22,122.04 109.22,134.57 111.99,137.33 111.99,150.4 111.94,150.45 111.94,151.18 113.27,152.51 U11.14 ; U8.4 119.13,80.4 123.95,85.22 v1(123.95,91.31) ; UR25.1 15.25,149.72 7.87,157.1 R67.2 ; U17.15 147.84,176.67 146.56,175.39 146.56,175.3 146.56,175.3 146.56,173.46 146.56,173.46 146.56,173.1 147.84,171.82 U10.15 147.84,164.11 146.59,162.85 146.59,160.63 147.84,159.37 U14.15 147.84,152.29 146.57,151.02 146.57,147.69 147.83,146.43 U12.15 147.83,140.08 153.16,134.75 153.16,132.21 152.18,131.23 149.89,131.23 148.59,132.53 U9.2 ; v1(18.83,105.64) 20.68,105.64 UR26.2 25.65,113.16 U18.9
  Bottom w0.305: U8.8 111.51,72.52 112.78,73.79 120.9,73.79 121.67,73.02 U8.12 ; U19.3 25.4,147.51 20.57,152.34 20.57,161.15 UR25.7 13.42,168.31 13.42,174.16 J5.4 ; 139.19,56.01 139.19,52.71 140.97,50.93 141.73,50.93 142.24,50.42 ; 139.19,56.01 139.7,56.01 142.25,58.55 U22.8 138.67,62.12 C70.1 ; 139.19,56.01 136.14,56.01 135.64,56.52 135.64,62.1 130.8,66.94 122.67,66.94 119.13,70.48 U8.11 ; U17.14 145.3,178.67 147.32,176.66 151.89,176.66 v1(153.42,175.13) ; UR25.8 21.33,167.5 21.34,167.51 ; v1(85.85,189.61) 92.96,196.72 106.82,196.72 L9.2 ; U7.3 148.34,49.15 141.22,49.15 135.89,54.48 v1(123.17,54.48) ; v1(10.19,105.83) 7.15,102.78 7.15,93.58 J6.6 ; 78.74,85.87 78.74,88.52 WJ4.1 ; U19.2 27.94,147.01 21.34,153.61 21.34,167.51 ; Q5.3 60.71,73.53 62.99,75.82 ; J2.40 107.19,10.54 105.16,12.57 105.16,16.64 105.92,17.4 R26.1 ; v1(154.43,162.94) 152.4,164.97 147.09,164.97 U10.14 ; U11.15 115.81,153.91 117.07,152.65 126.26,152.65 131.22,157.61 144.55,157.61 U14.15 ; R65.2 R67.2 4.83,156.34 4.83,113.41 5.3,112.94 25.87,112.94 UR26.1 ; C68.1 49.26,185.27 48.04,184.06 38.39,184.06 R55.2 ; C4.1 147.07,87.5 R11.1 144.49,85 138.66,85 Q2.2 ; J5.3 12.76,178.95 14.51,177.2 v1(14.51,170.34) ; UR25.4 18.29,155.82 18.29,146.43 U19.6 17.78,144.98 18.61,144.15 31.51,144.15 31.95,144.58 31.95,147.93 32.71,148.69 38.34,148.69 C101.2 ; U24.9 32.77,65.26 34.4,63.63 46.23,63.63 47.53,64.93 49.4,64.93 51,66.53 51,70.51 52.61,72.11 61.02,72.11 62.48,73.57 ; U9.28 120.65,118.64 124.34,122.34 v1(125.26,122.34) ; J6.1 17.49,93.56 18.8,94.87 18.8,105.6 v1(18.83,105.64) ; U8.9 115.71,69.6 116.52,69.6 121.7,64.42 127.53,64.42 v1(133.91,58.04) ; R71.2 55.12,83.69 51.56,80.14 51.56,74.55 45.97,68.96 24.93,68.96 C104.1 ; R13.2 152.07,89.2 C4.2 150.2,89.88 145.12,89.88 144.97,89.73 137.1,89.73 135.64,88.27 135.64,83.95 133.6,81.91 133.6,80.9 134.61,79.9 137.43,79.9 138.43,80.9 138.43,81.41 139.19,82.17 140.72,82.17 141.22,81.66 141.22,80.14 139.45,78.36 133.42,78.36 131.08,80.7 123.49,80.7 U8.3 ; R60.2 160.53,107.57 160.53,103 160.02,102.49 160.02,100.46 155.96,96.39 155.96,89.28 153.16,86.49 151.2,86.49 148.42,89.27 146.29,89.27 145.54,88.52 Q2.3 137.41,88.52 136.44,87.54 136.44,81.95 R62.1 ; U11.3 117.37,157.83 123.46,157.83 124.41,158.79 124.41,161.87 126.8,164.26 143.37,164.26 145.3,162.33 U14.3 ; J6.7 5.88,92.08 5.88,103.29 12.95,110.36 UR26.7 ; U8.2 124.21,77.35 123.95,77.09 114.55,77.09 114.05,77.59 U8.6 ; U19.7 15.24,150.74 UR25.2 ; U19.9 12.7,143.38 32,143.38 32.77,144.15 32.77,147.7 33.14,148.08 37.17,148.08 43.57,141.69 C102.2 ; U9.11 125.72,135.51 124.97,136.27 116.33,136.27 v1(114.55,138.05) ; v1(33.31,102.74) 36.8,102.74 38.07,104.01 41.91,104.01 44.31,106.41 45.44,106.41 48.8,103.05 48.8,102.2 R71.1 ; U19.8 12.7,147.45 14.22,148.97 14.22,152.26 UR25.3 ; U14.4 142.76,162.33 141.44,163.65 127.05,163.65 125.02,161.62 125.02,158.39 123.85,157.22 115.43,157.22 U11.4 ; C65.2 38.44,88.57 49.07,88.57 51.28,90.77 v1(53,90.77) ; v1(15.27,95.16) 15.24,95.19 v1(15.24,105.79) ; 21.34,167.51 21.34,175.75 12.59,184.49 J5.1 ; UR25.5 19.05,157.6 19.05,148.79 20.32,147.51 U19.5 ; C102.1 47.24,143.89 Q4.2 ; U14.14 145.54,154.31 148.71,151.14 153.79,151.14 v1(155.19,149.73) ; R39.1 132.15,94.11 130.07,92.02 124.66,92.02 v1(123.95,91.31) ; v1(122.17,181.23) 115.29,181.23 U15.14 ; C70.2 136.5,59.29 136.5,62.86 131.16,68.2 WJ1.1 ; C103.1 62.99,75.82 ; 62.99,75.82 64.52,75.82 65.02,75.31 R70.1 ; 49.78,162.18 55.12,167.51 Q3.2 ; v1(49.28,134.24) 40.13,134.24 R72.1 ; Q6.1 54.26,190.48 C68.2 57.4,188.09 61.47,184.02 R76.1 ; v1(153.87,144.36) 147.39,144.36 145.29,142.26 U12.14 ; J6.3 16.52,88.02 20.07,91.57 20.07,106.55 18.03,108.59 UR26.5 ; U9.32 131.98,119.41 131.98,122.91 129.39,125.5 125.12,125.5 123.19,123.57 114.3,123.57 v1(113.03,124.84) ; v1(3.08,161.2) 3.08,177.64 J5.6 ; J5.7 4.35,176.14 v1(4.35,162.21) ; R42.1 59.65,191.68 C64.1 53.89,194.94 53.85,194.94 52.32,196.47 Q6.2 ; WJ5.2 97.03,87.62 96.77,87.87 95.36,87.87 95,88.24 95,89.59 93.78,90.81 89.66,90.81 U2.23 ; U13.14 113.27,167.16 115.17,169.06 v1(121.67,169.06) ; UR25.6 19.81,159.38 19.81,150.82 22.86,147.77 U19.4 ; J5.2 12.59,181.72 18.8,175.52 v1(18.8,169.8) ; 47.75,164.21 47.75,161.16 R49.1 55.36,164.71 Q3.3 ; 47.75,164.21 47.75,168.9 52.84,173.99 U23.12 U23.13 ; 47.75,164.21 40.64,164.21 35.81,169.04 35.81,176.4 38.61,179.2 46.74,179.2 47.76,180.22 U23.5 ; R35.2 135.13,46.36 135.86,45.63 141.26,45.63 142.49,46.86 U7.6 ; J6.2 10.14,92.05 10.14,94.82 12.76,97.44 12.76,105.48 v1(12.45,105.79) ; Y1.2 144.16,56.41 R75.2 ; U8.1 127.94,80.07 130.69,80.07 133.16,77.6 135.13,77.6 137.67,75.06 139.87,75.06 144.78,70.14 U22.6 ; J6.4 v1(15.27,85.25) ; CR2.2 R27.2 ; 34.33,62.1 CR1.2
+5C: length 44
  Bottom w2.54: J0.4 7.41,49.41 14.69,49.41 C48.2 16.73,48.97 16.73,30.29 S2.2 S2.1
+12C: length 50.4
  Bottom w1.27: C47.2 9.39,55.55 J0.3 2.85,55.55 2.16,54.87 2.16,41.54 7.46,36.25 7.46,29.65 S2.5 S2.4
-5C: length 14.3
  Bottom w1.016: J0.2 5.58,59.86 C46.2 15.53,59.82 19.42,59.82
/clock_reset_misc_logic/AUX_DECODE_2: length 54.6
  Top w0.305: R17.2 131.83,43.56 131.83,35.84 130.05,34.06 J2.30
  Bottom w0.305: R17.2 132.72,44.97 143.03,44.97 145.03,46.97 U7.5
/clock_reset_misc_logic/EXP_RESET: length 72.7
  Top w0.305: R78.2 151.13,29.34 R9.1 150.11,23.75 144.76,18.4 C3.1 ; S1.1 S1.1 S1.1
  Bottom w0.305: J2.34 122.43,11.3 127.51,16.39 144.02,16.39 144.76,17.13 C3.1 144.78,18.18 144.78,22.48 R7.2 ; R9.1 155.48,28.32 S1.1 S1.1
/clock_reset_misc_logic/INT: length 291.5
  Top w0.305: J2.10 79.25,11.37 77.48,13.14 77.48,41.28 80.01,43.81 80.01,45.85 75.91,49.94 v1(71.37,49.94) ; v1(137.26,38.23) 137.41,38.38 137.41,55.06 135.89,56.59 135.89,68.48 134.38,69.99 134.38,76.85 138.27,80.74 v1(139.67,80.74) ; v1(47.02,87.28) 47.02,82.71 CR2.1 44.2,79.88 44.2,71.65 39.12,66.57 39.12,64.64 R1.2 41.66,61.34 v1(34.83,54.52)
  Bottom w0.305: U7.9 142.49,39.35 140.35,37.21 138.28,37.21 v1(137.26,38.23) ; v1(34.83,54.52) 34.83,52.23 35.12,51.94 CR1.1 39.12,53.21 46.48,53.21 48.06,54.79 50.75,54.79 53.09,52.45 68.87,52.45 v1(71.37,49.94) ; v1(139.67,80.74) 138.05,79.12 133.76,79.12 131.57,81.31 74.95,81.31 71.75,78.11 68.73,78.11 66.55,80.29 66.55,83.19 60.18,89.55 50.92,89.55 48.65,87.28 v1(47.02,87.28)
/clock_reset_misc_logic/RESET: length 56.8
  Bottom w0.305: J2.36 117.35,11.3 123.65,17.61 133.05,17.61 R8.2 140.33,23.75 148.68,32.11 148.68,35.02 150.11,36.45 U7.12 U7.11
